# Altium PCB Trepanat.PcbDoc (part 2 of 3)
Units mm, origin at the board's own origin, x right, y up, seen from the top; angles counter-clockwise.
Board outline 250 x 222.12 mm, 4 copper layers (Top Signal Layer, Power Layer, Ground Layer, Bottom Signal Layer), stack 0.778 mm thick; 334 components, 101 nets, 1026 pads, 524 vias.
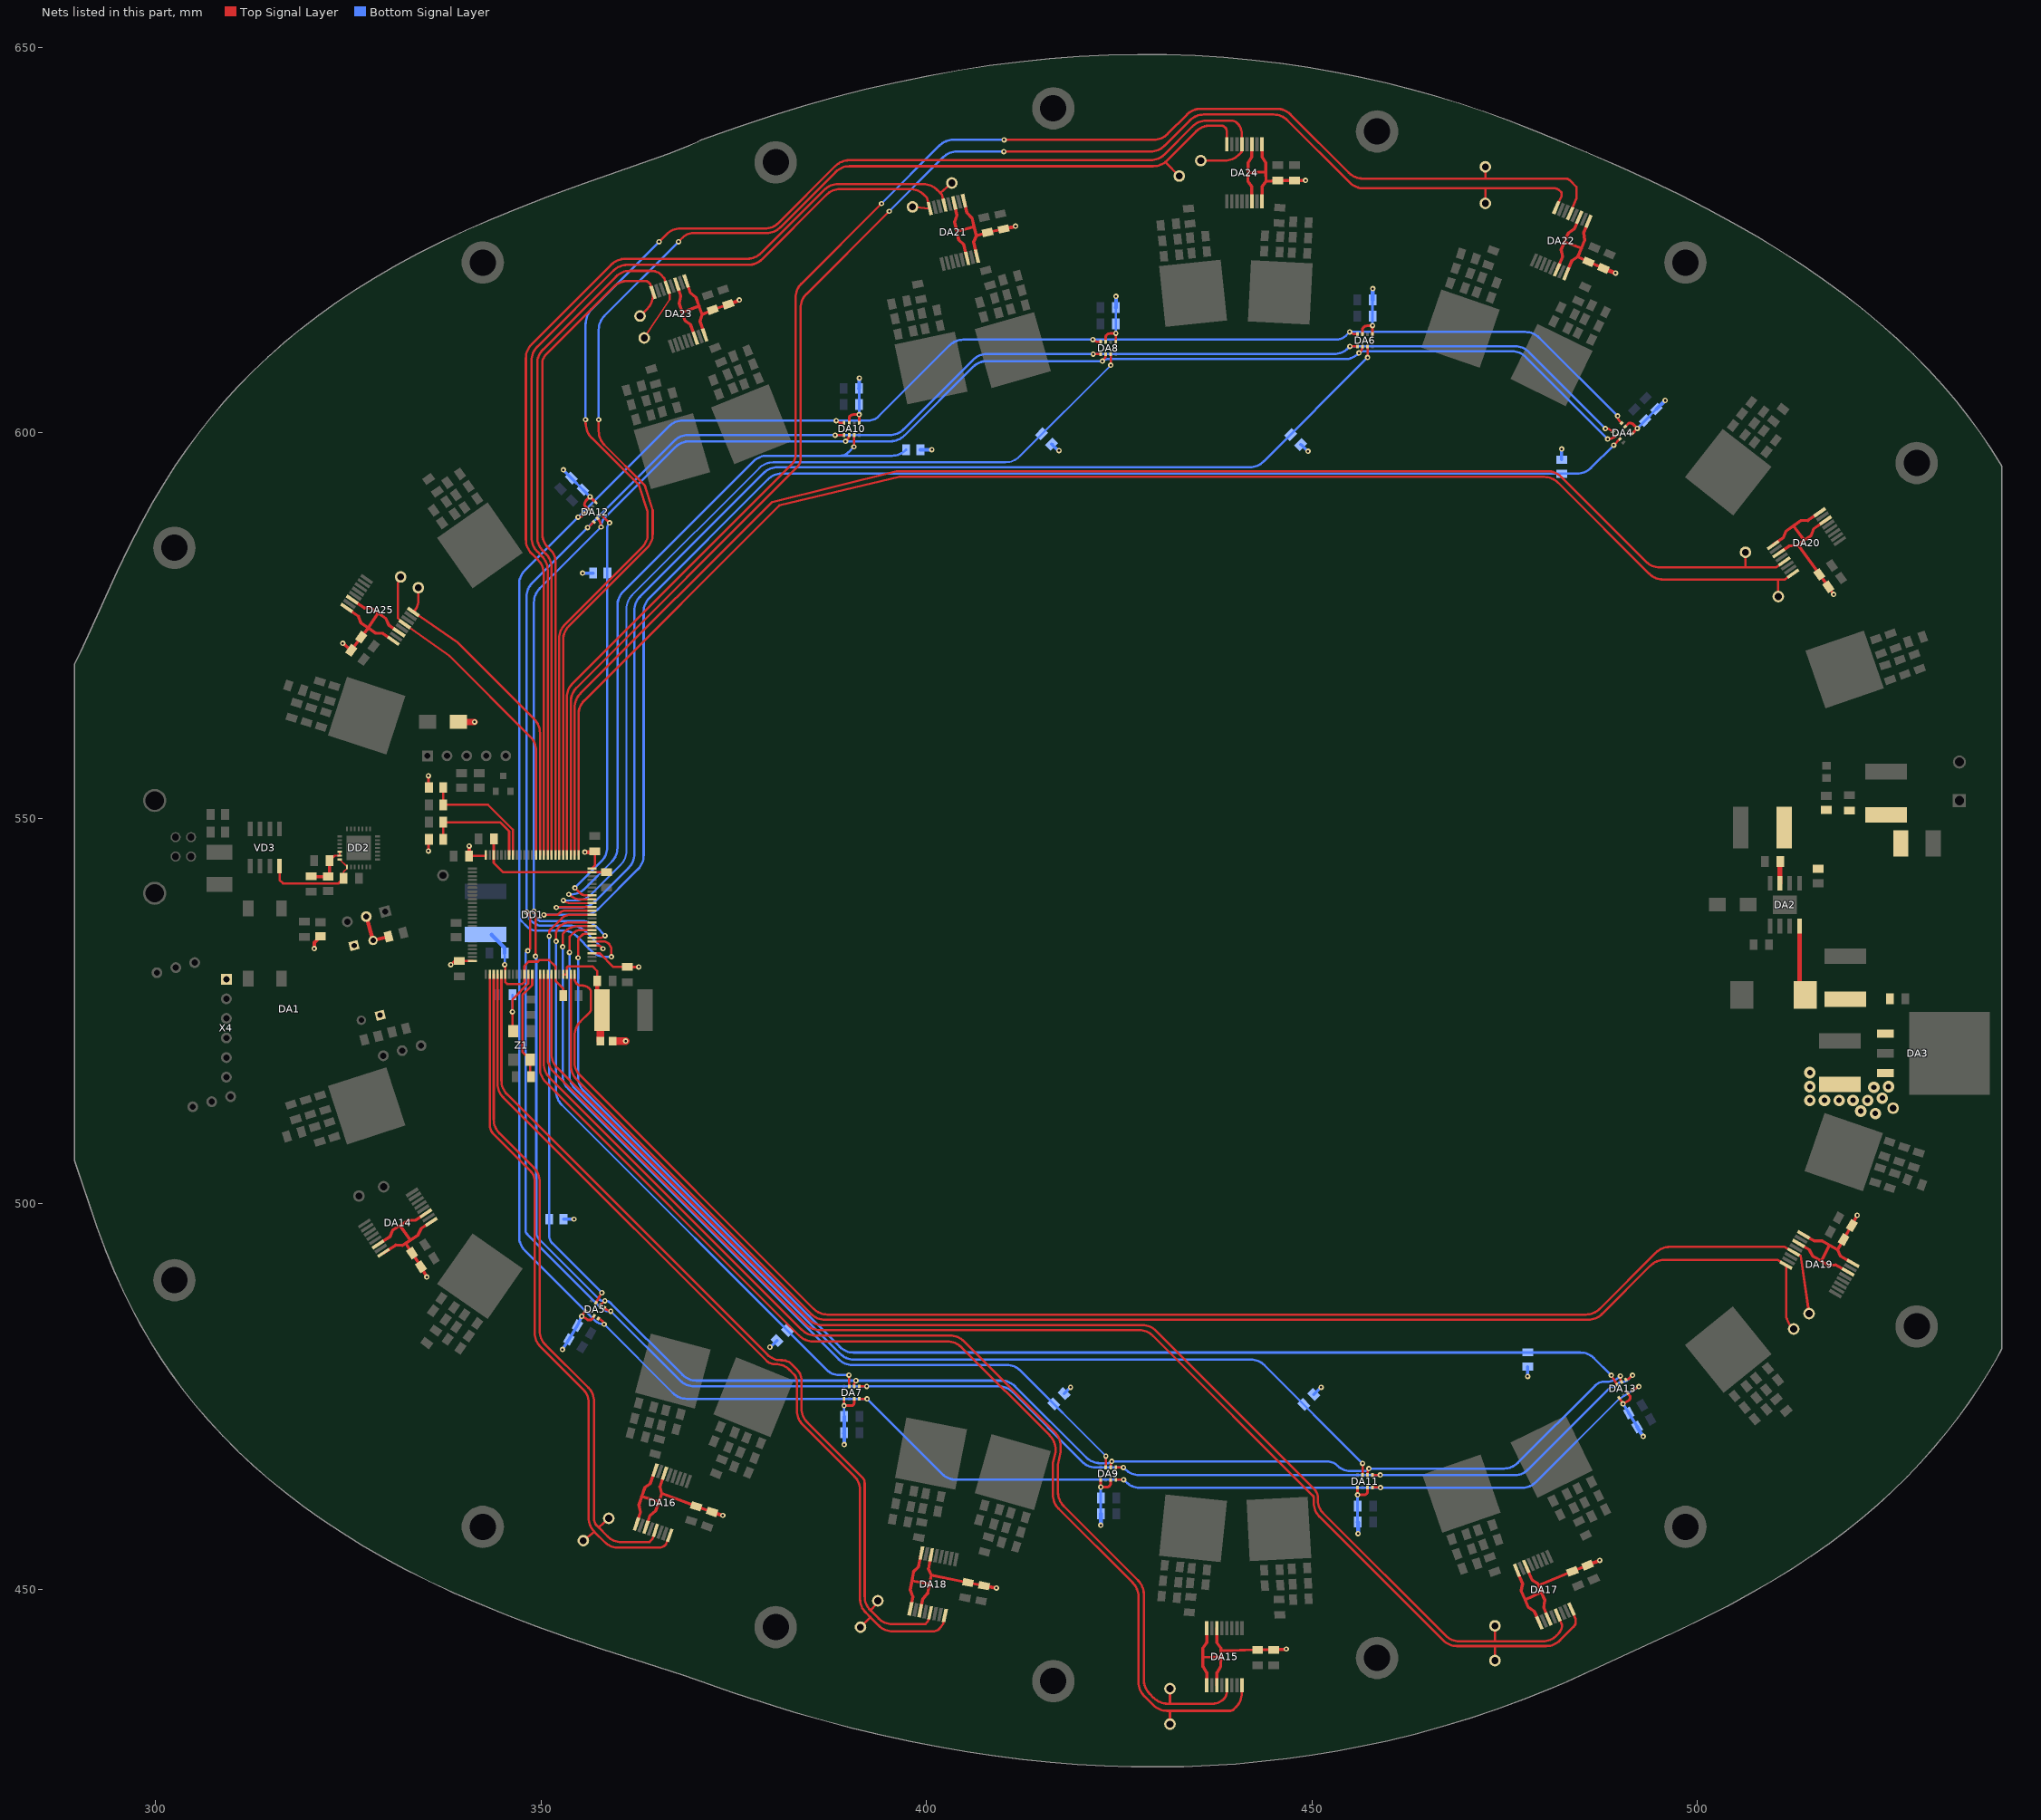
[diagram p4: the nets of this part, all layers, seen from the top]

## Via types
v1: diameter 0.7, hole 0.3, Top Signal Layer to Bottom Signal Layer, tented both sides, 512 vias
v2: diameter 1.5, hole 0.7, Top Signal Layer to Bottom Signal Layer, tented both sides, 12 vias

## Nets (pads, with @x,y where several pads share a name; then routed paths per layer and width w, separated by ;. In a path a pad name is that pad's centre, name@x,y a point inside that pad or via, vN(x,y) a via of type N, cw(c..) or ccw(c..) an arc to the next point about the centre after c; other vN are vias at no path point) (continued)
3,3B: C5.1 C6.2 C7.2 C9.2 C10.2 C11.2 C12.2 C28.1 C29.2 C30.2 C31.2 C32.2 C33.2 C34.2 C35.2 C36.2 C37.2 C38.2 C39.2 C40.2 C41.2 C42.2 C43.2 C44.2 C45.2 C46.2 C47.2 C48.2 C73.2 C74.2 C75.2 C76.2 C101.2 C102.2 C103.2 C104.2 C129.2 C130.2 C131.2 C132.2 C157.2 C158.2 C159.2 C160.2 C185.2 C186.2 C187.2 C188.2 C213.2 C214.2 C215.2 C216.2 DA3.3 DA4.6 DA4.8 DA5.6 DA5.8 DA6.6 DA6.8 DA7.6 DA7.8 DA8.6 DA8.8 DA9.6 DA9.8 DA10.6 DA10.8 DA11.6 DA11.8 DA12.6 DA12.8 DA13.6 DA13.8 DA14.6 DA14.8 DA14.9 DA14.11 DA15.6 DA15.8 DA15.9 DA15.11 DA16.6 DA16.8 DA16.9 DA16.11 DA17.6 DA17.8 DA17.9 DA17.11 DA18.6 DA18.8 DA18.9 DA18.11 DA19.6 DA19.8 DA19.9 DA19.11 DA20.6 DA20.8 DA20.9 DA20.11 DA21.6 DA21.8 DA21.9 DA21.11 DA22.6 DA22.8 DA22.9 DA22.11 DA23.6 DA23.8 DA23.9 DA23.11 DA24.6 DA24.8 DA24.9 DA24.11 DA25.6 DA25.8 DA25.9 DA25.11 DD1.6 DD1.11 DD1.19 DD1.28 DD1.50 DD1.75 DD1.100 KT2.1 L1.1 R1.2 R8.1 R9.1 R16.1 R17.1 R18.1 R19.1 R20.1 R21.1 R22.1 R23.1 R24.1 R25.1 VD1.2 X2.1 X3.1 X4.1 | length 431.6
  Top Signal Layer w0.3: v1(338.3,531) 338.8,531.5 C12.2@339.4,531.5 DD1.100@341.125,531.5 ; C11.2@340.7,545.1 342.725,545.1 DD1.75@342.875,545.25 ; v1(345.3,531) 345.375,530.925 DD1.6@345.375,529.75 345.375,528.76 345.635,528.5 347.6,528.5 347.875,528.775 DD1.11@347.875,529.75 347.875,530.766 347.886,530.777 347.886,530.886 348.4,531.4 349.589,531.4 349.789,531.6 351.075,531.6 351.875,530.8 DD1.19@351.875,529.75 351.875,528.925 352.9,527.9 C7.2@352.9,527 ; DD1.28@356.625,532.5 357.508,532.5 cw(c357.508,532.278) 357.665,532.435 359.4,530.7 C9.2@361.2,530.7 ; DD1.50@356.625,543.5 357,543.875 C10.2@357,545.7
  Top Signal Layer w0.35: v1(335.399,545.744) 335.399,547.063 cw(c335.655,547.063) R8.1@335.474,547.244 ; v1(335.399,555.494) 335.399,554.175 ccw(c335.655,554.175) R9.1@335.474,553.994 ; DA5.8@355.756,486.095 v1(355.3,485.4) 356,485 ccw(c356.241,485.241) 356.241,484.9 356.3,484.9 ccw(c356.3,485.383) 356.641,485.041 356.7,485.1 DA5.6@356.881,485.445 ; DA12.6@356.205,590.036 355.728,590.513 cw(c355.915,590.7) 355.65,590.7 cw(c356.314,590.7) 355.844,591.169 v1(356.375,591.7) 357.12,590.955 DA12.8@357.124,590.955 ; DA7.8@389.325,474.675 v1(389.325,473.8) 390.275,473.8 ccw(c390.275,474.15) 390.625,474.15 DA7.6@390.625,474.7 ; DA10.6@389.975,601.3 389.975,601.873 cw(c390.402,601.873) 390.1,602.175 cw(c390.522,601.753) 390.522,602.35 v1(391.275,602.35) DA10.8@391.275,601.3 ; DA9.8@422.625,464.2 v1(422.625,463.25) 423.413,463.25 ccw(c423.413,463.762) 423.775,463.4 ccw(c423.413,463.762) 423.925,463.762 DA9.6@423.925,464.2 ; DA8.6@423.275,611.8 423.275,612.469 cw(c423.531,612.469) 423.35,612.65 cw(c423.954,612.046) 423.954,612.9 v1(424.575,612.9) DA8.8@424.575,611.8 ; DA11.8@455.929,463.2 455.929,462.229 v1(455.925,462.225) 456.703,462.225 ccw(c456.703,462.822) 457.125,462.4 ccw(c456.874,462.651) 457.229,462.651 DA11.6@457.229,463.2 ; DA6.6@456.579,612.8 456.579,613.418 cw(c456.907,613.418) 456.675,613.65 cw(c457.279,613.046) 457.279,613.9 457.874,613.9 DA6.8@457.879,612.8 ; DA13.8@489.856,474.82 v1(490.375,474.05) 491.125,474.5 ccw(c490.703,474.922) 491.3,474.922 491.3,474.925 ccw(c491.059,474.925) 491.229,475.096 491.15,475.175 DA13.6@490.981,475.47 ; DA4.6@490.636,600.795 491.05,601.2 cw(c491.171,601.079) 491.171,601.25 491.325,601.25 cw(c491.325,600.767) 491.666,601.109 491.675,601.1 v1(492.225,600.575) DA4.8@491.555,599.876
  Top Signal Layer w0.4: v1(324.3,572.7) C216.2@325.391,571.788 C215.2@326.691,573.488 327.603,574.685 ; DA25.8@324.789,577.284 326.324,576.197 326.62,575.361 327.603,574.685 ; DA25.6@325.535,578.349 327.081,577.278 327.968,577.286 328.877,576.638 ; DA14.6@328.878,494.717 330.45,495.75 330.775,496.575 331.716,497.175 ; DA14.8@329.586,493.627 331.169,494.643 332.055,494.604 332.455,494.869 ; DA25.9@330.851,573.039 329.523,573.959 328.575,574.017 327.603,574.685 ; DA25.11@331.597,574.104 330.279,575.037 329.899,575.909 328.877,576.638 ; DA14.11@335.084,498.747 333.725,497.875 332.775,497.85 331.716,497.175 ; v1(335.2,490.5) C74.2@334.448,491.836 C73.2@333.289,493.593 332.455,494.869 ; DA14.9@335.792,497.657 334.442,496.77 334.033,495.913 333.05,495.263 ; C9.2@361.2,530.7 v1(362.7,530.7) ; DA16.9@362.394,458.467 362.912,459.997 362.707,460.925 363.081,462.043 ; DA16.11@363.624,458.044 364.157,459.568 364.891,460.173 365.309,461.357 ; DA16.8@364.804,465.464 364.182,463.689 363.46,463.174 363.081,462.043 ; DA16.6@366.033,465.041 365.43,463.259 365.682,462.409 ; DA23.11@367.617,619.266 368.135,617.736 367.929,616.808 368.328,615.618 ; DA23.9@368.846,619.689 369.38,618.165 370.114,617.56 370.507,616.449 ; DA23.6@370.026,612.269 369.405,614.044 368.683,614.559 368.328,615.618 ; DA23.8@371.256,612.692 370.653,614.474 370.905,615.324 ; C101.2@372.195,460.028 C102.2@370.145,460.753 365.682,462.409 ; C188.2@374.291,616.662 C187.2@372.291,615.962 370.905,615.324 ; DA18.9@397.936,447.452 398.236,449.039 397.903,449.929 398.118,451.088 ; DA18.11@399.212,447.204 399.528,448.788 400.17,449.488 400.42,450.719 ; DA18.8@399.348,454.716 398.979,452.872 398.336,452.261 398.118,451.088 ; DA18.6@400.624,454.468 400.275,452.62 400.643,451.813 ; DA21.11@403.618,629.824 403.973,628.249 403.671,627.348 403.943,626.122 ; DA21.9@404.884,630.117 405.256,628.545 405.922,627.867 406.197,626.721 ; DA21.6@405.282,622.614 404.849,624.445 404.185,625.032 403.943,626.122 ; DA21.8@406.549,622.907 406.136,624.742 406.475,625.561 ; C129.2@407.475,450.457 C130.2@405.4,450.857 400.643,451.813 ; C160.2@410.02,626.43 C159.2@407.927,625.993 406.475,625.561 ; DA15.9@436.375,437.55 436.367,439.165 435.87,439.975 435.86,441.154 ; DA15.8@436.375,444.95 436.365,443.069 435.85,442.347 435.851,442.25 435.86,441.154 ; DA15.11@437.675,437.55 437.684,439.165 438.18,439.975 438.191,441.231 ; DA15.6@437.675,444.95 437.685,443.069 438.2,442.347 438.197,442 ; DA24.6@442.225,630.025 442.215,631.906 441.7,632.628 441.709,633.744 ; DA24.11@442.225,637.425 442.216,635.81 441.72,635 441.709,633.744 ; DA24.8@443.525,630.025 443.535,631.906 444.05,632.628 ; DA24.9@443.525,637.425 443.533,635.81 444.03,635 444.04,633.821 ; C75.2@445.071,442.15 C76.2@442.971,442.15 438.197,442 ; v1@449.2,632.704 C214.2@447.775,632.704 C213.2@445.575,632.704 444.05,632.628 ; DA17.8@476.61,452.442 477.336,450.707 477.144,449.841 477.619,448.747 ; DA17.6@477.807,452.95 478.551,451.222 479.307,450.759 479.414,450.5 ; v1(478,477.6) v1@478.098,477.6 ; DA17.9@479.502,445.63 478.863,447.114 478.089,447.665 477.669,448.634 479.782,449.614 479.755,449.677 479.414,450.5 ; 479.734,449.728 480.215,448.568 480.075,447.628 DA17.11@480.698,446.138 ; DA22.6@481.802,621.138 482.527,622.874 482.336,623.739 482.78,624.763 ; DA22.8@482.998,620.63 483.743,622.358 484.499,622.821 ; DA22.11@484.693,627.95 484.054,626.467 483.281,625.915 482.78,624.763 ; C103.2@485.784,453.119 C104.2@483.8,452.326 479.414,450.5 ; DA22.9@485.89,627.442 485.267,625.952 485.407,625.012 484.956,623.923 ; C186.2@487.834,621.329 C185.2@485.884,622.179 484.499,622.821 ; DA20.9@509.814,585.441 511.132,586.375 511.511,587.246 512.471,587.93 ; DA20.11@510.56,584.376 511.888,585.296 512.836,585.354 513.049,585.5 ; DA19.11@513.133,494.844 514.528,494.029 514.981,493.194 516.063,492.557 ; DA19.9@513.783,495.97 515.186,495.17 516.136,495.195 517.162,494.614 ; DA20.8@515.876,589.686 514.329,588.615 513.443,588.623 512.471,587.93 ; DA20.6@516.622,588.621 515.087,587.534 514.791,586.698 513.871,586.065 ; v1@517.7,579 C157.2@517.007,580.018 C158.2@515.835,581.638 513.049,585.5 ; DA19.6@519.542,491.144 517.908,492.076 517.025,491.991 516.063,492.557 ; DA19.8@520.192,492.27 518.568,493.219 518.2,494.026 ; v1(520.75,498.5) C132.2@520.049,497.178 C131.2@518.981,495.359 518.2,494.026 ; 327.603,574.685 328.877,576.638 ; 331.716,497.175 333.05,495.263 ; 332.455,494.869 333.05,495.263 ; 363.081,462.043 365.309,461.357 ; 365.309,461.357 365.682,462.409 ; 368.328,615.618 370.507,616.449 ; 370.507,616.449 370.905,615.324 ; 398.118,451.088 400.42,450.719 ; 400.42,450.719 400.643,451.813 ; 403.943,626.122 406.197,626.721 ; 406.197,626.721 406.475,625.561 ; 435.86,441.154 438.191,441.231 ; 438.191,441.231 438.197,442 ; 441.709,633.744 444.04,633.821 ; 444.04,633.821 444.05,632.628 ; 482.78,624.763 484.956,623.923 ; 484.499,622.821 484.956,623.923 ; 512.471,587.93 513.871,586.065 ; 513.049,585.5 513.871,586.065 ; 516.063,492.557 517.162,494.614 ; 517.162,494.614 518.2,494.026
  Top Signal Layer w0.5: v1(320.6,533.1) 320.6,533.875 R1.2@321.4,534.675 ; C11.2@340.7,545.1 v1(340.7,546.4) ; v1(355.7,545.6) 356.9,545.6 C10.2@357,545.7 ; C101.2@372.195,460.028 v1@373.612,459.535 ; C188.2@374.291,616.662 v1@375.77,617.184 ; C129.2@407.475,450.457 v1@409.106,450.129 ; C160.2@410.02,626.43 v1@411.587,626.76 ; C75.2@445.071,442.15 v1@446.697,442.201 ; C103.2@485.784,453.119 v1@487.372,453.703
  Top Signal Layer w0.6: C186.2@487.834,621.329 v1@489.431,620.675
  Top Signal Layer w0.8: VD1.2@339.3,562.5 v1(341.4,562.5)
  Top Signal Layer w1: L1.1@359.3,521.1 v1(361,521.1)
  Bottom Signal Layer w0.3: v1(345.3,531) C6.2@345.3,532.5 ; R20.1@416.254,598.546 cw(c416.254,598.305) R20.1@416.425,598.475
  Bottom Signal Layer w0.35: v1(352.9,595.189) C46.2@353.957,594.132 C45.2@355.457,592.632 ccw(c355.491,592.632) 355.467,592.608 v1(356.375,591.7) ; C35.2@389.25,470.2 cw(c389.35,470.2) C35.2@389.35,470.3 ; v1(389.325,473.8) C36.2@389.325,472.4 cw(c389.325,472.375) C36.2@389.35,472.375 ; v1(391.275,602.35) C41.2@391.275,603.65 C42.2@391.275,605.75 ; C39.2@422.625,459.775 C40.2@422.625,461.85 v1(422.625,463.25) ; v1(424.575,612.9) C37.2@424.575,614.15 C38.2@424.575,616.25 ; C43.2@455.925,458.7 C44.2@455.925,460.8 v1(455.925,462.225) ; v1(457.875,613.9) C33.2@457.875,615.15 C34.2@457.875,617.25 ; v1(490.375,474.05) C48.2@491.109,472.85 ; v1(492.225,600.575) C29.2@493.232,601.593 C30.2@494.707,603.068
  Bottom Signal Layer w0.4: v1(352.8,481.1) C31.2@353.634,482.4 C32.2@354.734,484.2 v1(355.3,485.4) ; R17.1@352.925,498 v1(354.3,498) ; v1(355.4,581.8) R24.1@356.775,581.8 ; v1(379.7,481.4) 379.75,481.35 R19.1@380.646,482.246 ; R20.1@416.254,598.546 417.029,597.771 ccw(c417.2,597.941) v1(417.2,597.7) ; R21.1@417.854,475.354 v1(418.7,476.2) ; R18.1@448.554,598.446 cw(c448.554,598.205) 448.725,598.375 v1(449.5,597.6) ; R23.1@450.254,475.254 v1(451.2,476.2) ; v1(478,477.6) R25.1@478,478.875 ; R16.1@482.4,596.525 v1(482.4,597.9) ; C48.2@491.109,472.85 C47.2@492.209,471.05
  Bottom Signal Layer w0.5: C5.1@343.6,534.9 345.3,533.2 C6.2@345.3,532.5 ; v1(389.35,468.75) C36.2@389.35,472.375 ; C42.2@391.275,605.75 391.3,605.775 v1(391.3,607.094) ; R22.1@399.225,597.8 v1(400.7,597.8) ; v1(422.625,458.3) C39.2@422.625,459.775 ; C38.2@424.575,616.25 ccw(c424.515,616.31) 424.6,616.31 v1(424.6,617.7) ; C43.2@455.925,458.7 456,458.625 v1(456,457.2) ; C34.2@457.875,617.25 457.9,617.25 v1(457.9,618.7) ; C47.2@492.209,471.05 v1(492.975,469.812) ; C30.2@494.707,603.068 v1(495.839,604.2)
  other v1: 446.672,442.242 409.081,450.17 487.347,453.744 373.587,459.576 517.675,579.041 375.745,617.225 489.406,620.715 411.562,626.801 449.175,632.745
  other v2: 523.1,511.7 521.2,512 514.6,513.4 516.5,513.4 518.4,513.4 520.2,513.4 522.1,513.4 524,513.7 522.9,515.1 514.6,515.2 524.8,515.2 514.6,517
3_SENSOR: DA16.13 DD1.3 KT8.1 | length 87.7
  Top Signal Layer w0.3: DD1.3@343.875,529.75 343.875,510.927 ccw(c346.415,510.927) 344.619,509.131 349.106,504.644 cw(c347.31,502.848) 349.85,502.848 349.85,483.502 ccw(c352.39,483.502) 350.594,481.706 356.156,476.144 cw(c354.36,474.348) 356.9,474.348 356.9,459.115 ccw(c358.145,459.115) 357.265,458.235 357.5,458 ; KT8.1@358.8,459.2 357.5,458 ; DA16.13@364.853,457.621 364.467,456.511 364.095,456.139 cw(c364,456.234) 364,456.1 360.452,456.1 cw(c360.452,458.64) 358.656,456.844 357.5,458
4_SENSOR: DA16.16 DD1.2 KT7.1 | length 90.7
  Top Signal Layer w0.3: DD1.2@343.375,529.75 343.375,510.177 ccw(c344.949,510.177) 343.836,509.064 348.6,504.3 cw(c347.151,502.851) 349.2,502.851 349.2,483.252 ccw(c351.74,483.252) 349.944,481.456 355.5,475.9 cw(c353.81,474.21) 356.2,474.21 356.2,459.252 ccw(c358.74,459.252) 356.944,457.456 ; KT7.1@355.5,456.3 356.944,457.456 ; DA16.16@366.696,456.986 366.209,455.809 366.1,455.7 cw(c365.376,456.424) 365.376,455.4 359.9,455.4 cw(c359.9,457.573) 358.364,456.036 356.944,457.456
5_SENSOR: DA18.13 DD1.5 KT12.1 | length 113.8
  Top Signal Layer w0.3: DD1.5@344.875,529.75 344.875,515.977 ccw(c347.415,515.977) 345.619,514.181 379.356,480.444 ccw(c381.152,482.24) 381.152,479.7 381.3,479.7 cw(c381.3,478.01) 382.495,479.205 383.2,478.5 cw(c381.751,477.051) 383.8,477.051 383.8,473.452 ccw(c386.34,473.452) 384.544,471.656 391.7,464.5 cw(c390.976,463.776) 392,463.776 392,449.052 ccw(c394.54,449.052) 392.744,447.256 ; KT12.1@393.7,448.5 cw(c393.005,448.5) 393.496,448.009 392.744,447.256 ; DA18.13@400.488,446.956 cw(c398.395,446.955) 399.875,445.475 395.55,445.475 cw(c395.55,447.95) 393.8,446.2 392.744,447.256
5B: C26.1 C27.2 DA2.4 DA3.1 L2.2 | length 9.1
  Top Signal Layer w0.6: DA2.4@513.255,536.02 513.255,528.897 ccw(c515.795,528.897) L2.2@514,527.1 L2.2@514,527.1
5IN: C21.1 C22.2 C24.1 C25.2 DA2.7 FU2.2 R14.1 R15.1 | length 2.8
  Top Signal Layer w0.6: DA2.7@510.715,541.58 510.715,544.365 C25.2@510.75,544.4
6_SENSOR: DA18.16 DD1.4 KT11.1 | length 117.2
  Top Signal Layer w0.3: DD1.4@344.375,529.75 344.375,515.577 ccw(c346.915,515.577) 345.119,513.781 379.276,479.624 ccw(c380.3,480.649) 380.3,479.2 380.448,479.2 cw(c380.448,476.66) 382.244,478.456 382.8,477.9 cw(c381.774,476.874) 383.225,476.874 383.225,473.127 ccw(c385.765,473.127) 383.969,471.331 390.7,464.6 cw(c389.01,462.91) 391.4,462.91 391.4,448.752 ccw(c393.94,448.752) 392.144,446.956 392.7,446.4 ; KT11.1@391.455,445.083 392.649,446.277 ccw(c392.526,446.4) 392.7,446.4 ; DA18.16@402.402,446.584 cw(c400.032,446.584) 401.708,444.908 401.65,444.85 cw(c400.865,445.635) 400.865,444.525 395.627,444.525 cw(c395.627,447.065) 393.831,445.269 392.7,446.4
7_SENSOR: DA15.13 DD1.16 KT6.1 | length 150.8
  Top Signal Layer w0.3: DD1.16@350.375,529.75 350.375,518.177 ccw(c352.915,518.177) 351.119,516.381 383.856,483.644 ccw(c385.652,485.44) 385.652,482.9 403.073,482.9 cw(c403.073,480.36) 404.869,482.156 416.656,470.369 cw(c414.86,468.573) 417.4,468.573 417.4,467.8 417.075,466.15 417.075,462.577 ccw(c419.615,462.577) 417.819,460.781 427.456,451.144 cw(c425.66,449.348) 428.2,449.348 428.2,438.252 ccw(c430.74,438.252) 428.944,436.456 429.506,435.894 ccw(c431.302,437.69) 431.302,435.15 431.6,435.15 ; KT6.1@431.6,437.1 431.6,435.15 ; DA15.13@438.975,437.55 438.975,436.716 cw(c437.609,436.716) 438.575,435.75 cw(c437.126,437.199) 437.126,435.15 431.6,435.15
8_SENSOR: DA15.16 DD1.15 KT5.1 | length 154.5
  Top Signal Layer w0.3: DD1.15@349.875,529.75 349.875,517.577 ccw(c352.415,517.577) 350.619,515.781 383.506,482.894 ccw(c385.302,484.69) 385.302,482.15 402.723,482.15 cw(c402.723,479.61) 404.519,481.406 416.006,469.919 cw(c414.21,468.123) 416.75,468.123 416.75,467.85 416.4,466.35 416.4,462.252 ccw(c418.94,462.252) 417.144,460.456 426.756,450.844 cw(c424.96,449.048) 427.5,449.048 427.5,437.952 ccw(c430.04,437.952) 428.244,436.156 429.431,434.969 ccw(c431.227,436.765) 431.227,434.225 431.6,434.225 ; KT5.1@431.6,432.5 431.6,434.225 ; DA15.16@440.925,437.55 440.925,436.527 cw(c438.385,436.527) 440.181,434.731 439.85,434.4 cw(c439.428,434.822) 439.428,434.225 431.6,434.225
9_SENSOR: DA17.13 DD1.18 KT10.1 | length 178.6
  Top Signal Layer w0.3: DD1.18@351.375,529.75 351.375,519.427 ccw(c353.915,519.427) 352.119,517.631 384.756,484.994 ccw(c386.552,486.79) 386.552,484.25 427.998,484.25 cw(c427.998,481.71) 429.794,483.506 450.325,462.975 cw(c449.239,461.889) 450.775,461.889 450.775,461.494 ccw(c452.994,461.494) 451.425,459.925 467.356,443.994 ccw(c469.152,445.79) 469.152,443.25 473.75,443.25 ; KT10.1@473.75,445.25 473.75,443.25 ; DA17.13@481.895,446.646 482.45,445.35 cw(c480.881,445.35) 481.99,444.24 481.744,443.994 cw(c479.948,445.79) 479.948,443.25 473.75,443.25
10_SENSOR: DA17.16 DD1.17 KT9.1 | length 181.9
  Top Signal Layer w0.3: DD1.17@350.875,529.75 350.875,518.927 ccw(c353.415,518.927) 351.619,517.131 384.406,484.344 ccw(c386.202,486.14) 386.202,483.6 427.598,483.6 cw(c427.598,481.06) 429.394,482.856 450.117,462.133 cw(c449.809,461.825) 450.245,461.825 450.245,461.208 ccw(c452.785,461.208) 450.988,459.412 467.031,443.369 ccw(c468.827,445.165) 468.827,442.625 473.75,442.625 ; KT9.1@473.75,440.75 473.75,442.625 ; DA17.16@483.69,447.408 484.225,446.125 484.225,445.789 cw(c483.286,445.789) 483.95,445.125 482.194,443.369 cw(c480.398,445.165) 480.398,442.625 473.75,442.625
11_SENSOR: DA19.16 DD1.23 KT13.1 | length 195.3
  Top Signal Layer w0.3: DD1.23@353.875,529.75 353.875,517.927 ccw(c356.415,517.927) 354.619,516.131 385.056,485.694 ccw(c386.852,487.49) 386.852,484.95 485.848,484.95 ccw(c485.848,487.49) 487.644,485.694 493.906,491.956 cw(c495.702,490.16) 495.702,492.7 510.4,492.7 DA19.16@511.508,492.03 511.508,485.794 ccw(c514.048,485.794) 512.252,483.998 KT13.1@512.5,483.75
12_SENSOR: DA19.13 DD1.24 KT14.1 | length 197.7
  Top Signal Layer w0.3: DD1.24@354.375,529.75 354.375,529.143 ccw(c355.143,529.143) 354.6,528.6 354.688,528.512 ccw(c355.2,529.024) 355.2,528.3 355.334,528.3 cw(c355.334,526.934) 356.3,527.9 cw(c355.817,527.417) 356.5,527.417 356.5,525.3 cw(c355.776,525.3) 356.288,524.788 355.119,523.619 ccw(c356.915,521.823) 354.375,521.823 354.375,518.259 ccw(c356.509,518.259) 355,516.75 385.381,486.369 ccw(c387.177,488.165) 387.177,485.625 485.548,485.625 ccw(c485.548,488.165) 487.344,486.369 494.631,493.656 cw(c496.427,491.86) 496.427,494.4 511.3,494.4 DA19.13@512.483,493.719 513.425,493.25 KT14.1@514.5,485.75
13_SENSOR: DA20.16 DD1.51 KT15.1 | length 195.7
  Top Signal Layer w0.3: DD1.51@354.875,545.25 354.875,563.467 cw(c357.415,563.467) 355.619,565.263 380.924,590.568 396.5,594.275 480.148,594.275 cw(c480.148,591.735) 481.944,593.531 493.756,581.719 ccw(c495.552,583.515) 495.552,580.975 510.5,580.975 ; KT15.1@510.5,578.75 510.5,580.975 ; DA20.16@512.424,581.714 511.375,580.975 510.5,580.975
14_SENSOR: DA20.13 DD1.52 KT16.1 | length 195.2
  Top Signal Layer w0.3: DD1.52@354.375,545.25 354.375,564.362 cw(c356.915,564.362) 355.119,566.159 379.992,591.032 396.125,595.025 480.548,595.025 cw(c480.548,592.485) 482.344,594.281 493.331,583.294 ccw(c495.127,585.09) 495.127,582.55 506.25,582.55 ; KT16.1@506.25,584.5 506.25,582.55 ; DA20.13@511.306,583.312 510.225,582.55 506.25,582.55
15_SENSOR: DA22.13 DD1.54 KT20.1 | length 205.1
  Top Signal Layer w0.3: DD1.54@353.375,545.25 353.375,565.698 cw(c355.915,565.698) 354.119,567.494 382.477,595.852 ccw(c381.154,597.175) 383.025,597.175 383.025,617.523 cw(c385.565,617.523) 383.769,619.319 v1(394.175,629.725) ; v1(410.075,638) 429.473,638 ccw(c429.473,640.54) 431.269,638.744 433.806,641.281 cw(c435.602,639.485) 435.602,642.025 445.448,642.025 cw(c445.448,639.485) 447.244,641.281 454.806,633.719 ccw(c456.602,635.515) 456.602,632.975 472.5,632.975 ; KT20.1@472.5,634.5 472.5,632.975 ; DA22.13@483.497,628.458 484.325,630.424 484.325,631.9 483.515,632.71 ccw(c482.875,632.07) 482.875,632.975 472.5,632.975
  Bottom Signal Layer w0.3: v1(394.175,629.725) 401.706,637.256 cw(c403.502,635.46) 403.502,638 v1(410.075,638)
16_SENSOR: DA22.16 DD1.53 KT19.1 | length 200.4
  Top Signal Layer w0.3: DD1.53@353.875,545.25 353.875,565.123 cw(c356.415,565.123) 354.619,566.919 383.18,595.48 ccw(c381.985,596.675) 383.675,596.675 383.675,616.173 cw(c386.215,616.173) 384.419,617.969 v1(395.175,628.725) ; v1(410.05,636.475) 429.073,636.475 ccw(c429.073,639.015) 430.869,637.219 434.181,640.531 cw(c435.977,638.735) 435.977,641.275 445.048,641.275 cw(c445.048,638.735) 446.844,640.531 454.931,632.444 ccw(c456.727,634.24) 456.727,631.7 472.5,631.7 ; KT19.1@472.5,629.75 472.5,631.7 ; DA22.16@481.702,629.22 482.4,630.7 482.4,631.079 ccw(c482.229,631.079) 482.35,631.2 482.062,631.488 ccw(c481.55,630.976) 481.55,631.7 472.5,631.7
  Bottom Signal Layer w0.3: v1(395.175,628.725) 402.181,635.731 cw(c403.977,633.935) 403.977,636.475 v1(410.05,636.475)
17_SENSOR: DA24.13 DD1.56 KT24.1 | length 181.4
  Top Signal Layer w0.3: DD1.56@352.375,545.25 352.375,573.323 cw(c354.915,573.323) 353.119,575.119 363.106,585.106 ccw(c361.31,586.902) 363.85,586.902 363.85,589.8 362.731,593.194 356.569,599.356 cw(c358.365,601.152) 355.825,601.152 355.8,601.177 v1(355.8,601.7) ; v1(365.325,624.775) 366.306,625.756 cw(c368.102,623.96) 368.102,626.5 379.048,626.5 ccw(c379.048,629.04) 380.844,627.244 388.206,634.606 cw(c390.002,632.81) 390.002,635.35 429.073,635.35 ccw(c429.073,637.89) 430.869,636.094 434.506,639.731 cw(c436.302,637.935) 436.302,640.475 439.565,640.475 cw(c439.565,639.365) 440.35,640.15 cw(c438.962,638.762) 440.925,638.762 DA24.13@440.925,637.425 440.925,636.6 cw(c440.575,636.6) 440.822,636.353 440.514,636.044 cw(c438.718,637.84) 438.718,635.3 KT24.1@435.6,635.3
  Bottom Signal Layer w0.3: v1(355.8,601.7) 355.8,614.198 355.825,614.223 cw(c358.365,614.223) 356.569,616.019 v1(365.325,624.775)
18_SENSOR: DA24.16 DD1.55 KT23.1 | length 172.3
  Top Signal Layer w0.3: DD1.55@352.875,545.25 352.875,573.116 cw(c355.415,573.116) 353.619,574.912 363.756,585.049 ccw(c361.96,586.845) 364.5,586.845 364.5,589.95 363.466,593.186 358.244,598.409 cw(c360.04,600.205) 357.5,600.205 v1(357.5,601.7) ; v1@367.825,624.75 368.409,625.334 cw(c369.775,623.969) 369.775,625.9 379.248,625.9 ccw(c379.248,628.44) 381.044,626.644 388.231,633.831 cw(c390.027,632.035) 390.027,634.575 429.423,634.575 ccw(c429.423,637.115) 430.988,635.115 ; KT23.1@432.8,633.3 430.988,635.112 430.988,635.115 ; DA24.16@438.975,637.425 438.975,638.7 438.975,639.057 ccw(c438.207,639.057) 438.75,639.6 ccw(c438.146,638.996) 438.146,639.85 436.802,639.85 ccw(c436.802,637.31) 435.006,639.106 431.219,635.319 cw(c429.423,637.115) 430.988,635.115
  Bottom Signal Layer w0.3: v1(357.5,601.7) 357.5,613.373 cw(c360.04,613.373) 358.244,615.169 v1(367.85,624.775)
19_SENSOR: DA21.13 DD1.60 KT18.1 | length 132.5
  Top Signal Layer w0.3: DD1.60@350.375,545.25 350.375,581.698 ccw(c347.835,581.698) 349.631,583.494 348.794,584.331 cw(c350.59,586.127) 348.05,586.127 348.05,609.673 cw(c350.59,609.673) 348.794,611.469 359.156,621.831 cw(c360.952,620.035) 360.952,622.575 376.773,622.575 ccw(c376.773,625.115) 378.569,623.319 386.756,631.506 cw(c388.552,629.71) 388.552,632.25 399.598,632.25 cw(c399.598,629.71) 401.394,631.506 401.8,631.1 ; DA21.13@402.351,629.532 402.025,630.875 401.8,631.1 ; KT18.1@403.3,632.4 401.8,631.1
20_SENSOR: DA21.16 DD1.59 KT17.1 | length 129.4
  Top Signal Layer w0.3: DD1.59@350.875,545.25 350.875,582.198 ccw(c348.335,582.198) 350.131,583.994 349.519,584.606 cw(c351.315,586.402) 348.775,586.402 348.775,609.348 cw(c351.315,609.348) 349.519,611.144 359.406,621.031 cw(c361.202,619.235) 361.202,621.775 376.898,621.775 ccw(c376.898,624.315) 378.694,622.519 387.031,630.856 cw(c388.827,629.06) 388.827,631.6 397.898,631.6 cw(c397.898,629.06) 399.694,630.856 400.1,630.45 400.442,629.127 DA21.16@400.451,629.093 ; KT17.1@398.2,629.3 DA21.16@400.313,629.093
21_SENSOR: DA23.13 DD1.58 KT22.1 | length 94.7
  Top Signal Layer w0.25: KT22.1@363.4,612.3 366.7,617.3 366.7,617.918 ccw(c366.373,617.918) DA23.13@366.604,618.149 ; DA23.13@366.388,618.843 cw(c366.303,618.757) DA23.13@366.423,618.757
  Top Signal Layer w0.3: DD1.58@351.375,545.25 351.375,582.55 ccw(c348.9,582.55) 350.65,584.3 350.269,584.681 cw(c352.065,586.477) 349.525,586.477 349.525,608.998 cw(c352.065,608.998) 350.269,610.794 359.731,620.256 cw(c361.527,618.46) 361.527,621 364.375,621 cw(c364.375,619.318) 365.565,620.507 365.992,620.08 DA23.13@366.388,618.843
22_SENSOR: DA23.16 DD1.57 KT21.1 | length 87.9
  Top Signal Layer w0.3: DD1.57@351.875,545.25 351.875,583.372 ccw(c349.997,583.372) 351.325,584.7 350.919,585.106 cw(c352.715,586.902) 350.175,586.902 350.175,608.933 cw(c351.967,608.933) 350.7,610.2 359.456,618.956 cw(c361.252,617.16) 361.252,619.7 363.575,619.7 cw(c363.575,619.245) 363.897,619.567 364.16,619.304 DA23.16@364.544,618.208 364.544,617.88 cw(c362.004,617.88) 363.8,616.084 KT21.1@362.858,615.142
23_SENSOR: DA25.16 DD1.61 KT25.1 | length 42.1
  Top Signal Layer w0.3: DA25.16@333.461,576.766 333.474,576.757 339.175,572.825 349.131,562.869 cw(c347.335,561.073) 349.875,561.073 DD1.61@349.875,545.25 ; DA25.16@333.523,576.828 ccw(c332.129,578.222) 334.1,578.222 KT25.1@334.1,579.9
24_SENSOR: DA25.13 DD1.62 KT26.1 | length 43.3
  Top Signal Layer w0.25: DA25.13@331.76,575.662 331.508,575.915 ccw(c331.458,575.865) 331.458,575.935 331.458,580.474 cw(c332.626,580.474) KT26.1@331.8,581.3
  Top Signal Layer w0.3: DA25.13@332.342,575.169 338.15,571.05 348.631,560.569 cw(c346.835,558.773) 349.375,558.773 DD1.62@349.375,545.25
BMP280_CS1: DA5.2 DD1.38 R17.2 | length 57.6
  Top Signal Layer w0.3: v1(351.075,534.7) 351.075,535.15 cw(c351.679,535.15) 351.252,535.577 352.725,537.05 cw(c353.811,535.964) 353.811,537.5 DD1.38@356.625,537.5 ; DA5.2@357.119,487.155 v1(357.9,488.45)
  Bottom Signal Layer w0.3: v1(351.075,534.7) 351.075,495.817 ccw(c352.383,495.817) 351.458,494.892 v1(357.9,488.45)
BMP280_CS2: DA7.2 DD1.36 R19.2 | length 81
  Top Signal Layer w0.3: v1(351.975,534.025) 351.975,535.075 cw(c353.001,535.075) 352.276,535.801 352.476,536.001 ; 352.476,536.001 cw(c353.68,534.797) 353.68,536.5 DD1.36@356.625,536.5 ; DA7.2@389.975,476.3 389.982,476.307 v1@389.982,477.77
  Bottom Signal Layer w0.3: v1(351.975,534.025) 351.975,514.602 ccw(c354.515,514.602) 352.719,512.806 387.1,478.425 ccw(c388.682,480.007) 388.682,477.77 v1@389.982,477.77
  other v1: 389.957,477.77
BMP280_CS3: DA9.2 DD1.35 R21.2 | length 115.1
  Top Signal Layer w0.3: v1(352.825,533.325) 352.825,534.778 cw(c353.422,534.778) 353,535.2 353.07,535.27 cw(c354.832,533.508) 354.832,536 DD1.35@356.625,536 ; DA9.2@423.275,465.8 423.282,465.807 v1(423.282,467.27)
  Bottom Signal Layer w0.3: v1(352.825,533.325) 352.825,516.56 ccw(c355.082,516.56) 353.486,514.964 388.631,479.819 ccw(c390.427,481.615) 390.427,479.075 410.424,479.075 cw(c410.424,476.535) 412.22,478.331 v1(423.282,467.27)
BMP280_CS4: DA11.2 DD1.34 R23.2 | length 146.7
  Top Signal Layer w0.3: v1(353.7,532.6) 353.7,534.493 cw(c353.958,534.493) 353.775,534.675 354.25,535.15 cw(c355.095,534.305) 355.095,535.5 DD1.34@356.625,535.5 ; DA11.2@456.579,464.8 456.586,464.807 v1(456.586,466.32)
  Bottom Signal Layer w0.3: v1(353.7,532.6) 353.7,516.585 ccw(c355.957,516.585) 354.361,514.989 388.806,480.544 ccw(c390.602,482.34) 390.602,479.8 442.053,479.8 cw(c442.053,477.26) 443.849,479.056 v1(456.586,466.32)
BMP280_CS5: DA13.2 DD1.33 R25.2 | length 171.7
  Top Signal Layer w0.3: v1(354.825,531.9) 354.825,534.025 cw(c355.61,534.025) 355.055,534.58 355.275,534.8 cw(c355.758,534.317) 355.758,535 DD1.33@356.625,535 ; v1(488.827,477.75) DA13.2@489.619,476.53
  Bottom Signal Layer w0.3: v1(354.825,531.9) 354.825,516.321 ccw(c357.109,516.321) 355.494,514.706 388.756,481.444 ccw(c390.552,483.24) 390.552,480.7 484.825,480.7 cw(c484.825,478.16) 486.621,479.956 v1(488.827,477.75)
BMP280_CS6: DA4.2 DD1.39 R16.2 | length 190.7
  Top Signal Layer w0.3: v1(350.375,537.475) 351.953,537.475 ccw(c351.953,538.072) 352.375,537.65 ; 352.375,537.65 352.427,537.702 cw(c353.147,536.982) 353.147,538 DD1.39@356.625,538 ; v1(489.15,598.4) DA4.2@489.955,599.204
  Bottom Signal Layer w0.3: v1(350.375,537.475) 355.623,537.475 ccw(c355.623,540.015) 357.419,538.219 362.581,543.381 ccw(c360.785,545.177) 363.325,545.177 363.325,576.773 cw(c365.865,576.773) 364.069,578.569 379.456,593.956 cw(c381.252,592.16) 381.252,594.7 484.398,594.7 ccw(c484.398,597.24) 486.194,595.444 v1(489.15,598.4)
BMP280_CS7: DA6.2 DD1.40 R18.2 | length 160
  Top Signal Layer w0.3: v1(352,538.425) cw(c352.181,538.244) 352.181,538.5 DD1.40@356.625,538.5 ; v1(457.222,609.755) DA6.2@457.222,611.193
  Bottom Signal Layer w0.3: v1(352,538.425) 355.173,538.425 ccw(c355.173,540.965) 356.969,539.169 361.381,543.581 ccw(c359.585,545.377) 362.125,545.377 362.125,576.948 cw(c364.665,576.948) 362.869,578.744 378.906,594.781 cw(c380.702,592.985) 380.702,595.525 441.94,595.525 ccw(c441.94,598.065) 443.736,596.269 v1(457.222,609.755)
BMP280_CS8: DA8.2 DD1.41 R20.2 | length 124.1
  Top Signal Layer w0.25: v1(352.9,539.35) ccw(c353.745,540.195) 353.745,539 DD1.41@356.625,539
  Top Signal Layer w0.3: v1(423.918,608.755) DA8.2@423.918,610.193
  Bottom Signal Layer w0.25: v1(352.9,539.35) 354.673,539.35 ccw(c354.673,541.89) 356.469,540.094 360.358,543.983 ccw(c358.565,545.775) 361.1,545.775 361.1,577.148 cw(c363.64,577.148) 361.844,578.944 378.331,595.431 cw(c380.127,593.635) 380.127,596.175 410.286,596.175 ccw(c410.286,598.715) 412.082,596.919 v1(423.918,608.755)
BMP280_CS9: DA10.2 DD1.42 R22.2 | length 93.6
  Top Signal Layer w0.3: v1(353.625,540.125) ccw(c355.158,541.658) 355.158,539.49 355.87,539.49 ; 355.906,539.5 DD1.42@356.625,539.5 ; v1@390.6,598.15 ccw(c390.54,598.21) 390.625,598.21 DA10.2@390.625,599.7
  Bottom Signal Layer w0.3: v1(353.625,540.125) 353.898,540.125 ccw(c353.898,542.665) 355.694,540.869 359.181,544.356 ccw(c357.385,546.152) 359.925,546.152 359.925,577.598 cw(c362.465,577.598) 360.669,579.394 377.556,596.281 cw(c379.352,594.485) 379.352,597.025 388.847,597.025 ; v1(390.6,598.175) 389.876,597.451 cw(c388.847,598.48) 388.847,597.025 ; R22.2@397.375,597.8 397.344,597.769 cw(c395.548,599.565) 395.548,597.025 388.847,597.025
BMP280_CS10: DA12.2 DD1.43 R24.2 | length 53.2
  Top Signal Layer w0.3: v1(354.4,540.975) 355.117,540.258 ccw(c355.74,540.88) 355.74,540 DD1.43@356.625,540 ; DA12.2@357.795,589.355 DA12.2@357.795,589.364 358.788,588.371 ccw(c358.9,588.483) v1(358.9,588.325)
  Bottom Signal Layer w0.3: v1(354.4,540.975) 357.856,544.431 ccw(c356.06,546.227) 358.6,546.227 358.6,587.601 cw(c359.624,587.601) v1(358.9,588.325)
BMP280_MISO: DA4.5 DA5.5 DA6.5 DA7.5 DA8.5 DA9.5 DA10.5 DA11.5 DA12.5 DA13.5 DD1.31 | length 438.1
  Top Signal Layer w0.3: v1(354.825,589.05) ccw(c354.825,590) 355.497,589.328 DA12.5@355.745,589.576 ; DD1.31@356.625,534 358.207,534 cw(c358.207,533.232) 358.75,533.775 cw(c357.784,532.809) 359.15,532.809 v1(359.15,532.025) ; DA5.5@357.444,485.12 357.748,484.944 cw(c357.273,484.121) v1(358.191,484.367) ; v1(388.302,601.578) ccw(c388.974,602.25) 388.974,601.3 DA10.5@389.325,601.3 ; DA7.5@391.275,474.7 392.294,474.7 v1(392.298,474.697) ; v1(421.602,612.078) ccw(c422.274,612.75) 422.274,611.8 DA8.5@422.625,611.8 ; DA9.5@424.575,464.2 424.578,464.197 v1(425.598,464.197) ; v1(454.906,613.078) ccw(c455.578,613.75) 455.578,612.8 DA6.5@455.929,612.8 ; DA11.5@457.879,463.2 458.833,463.2 cw(c458.833,463.103) v1(458.902,463.172) ; v1(489.65,602.175) ccw(c490.6,602.175) 489.928,601.503 DA4.5@490.176,601.255 ; DA13.5@491.544,475.795 v1(492.419,476.265)
  Bottom Signal Layer w0.3: v1(359.15,532.025) 358.377,532.025 cw(c358.377,534.565) 356.581,532.769 354.669,534.681 ccw(c352.873,532.885) 352.873,535.425 349.4,535.425 cw(c349.4,537.055) 348.248,535.902 347.55,536.6 cw(c348.455,537.505) 347.175,537.505 ; v1(489.65,602.175) 479.491,612.334 ccw(c477.695,610.538) 477.695,613.078 v1(454.906,613.078) 454.422,612.594 cw(c453.177,613.839) 453.177,612.078 v1(421.602,612.078) 404.805,612.078 ccw(c404.805,609.538) 403.009,611.334 393.844,602.169 cw(c392.418,603.595) 392.418,601.578 v1(388.302,601.578) 368.405,601.578 ccw(c368.405,599.038) 366.609,600.834 v1(354.825,589.05) 347.919,582.144 ccw(c349.715,580.348) 347.175,580.348 347.175,537.505 ; v1(492.419,476.265) 490.072,474.812 489.85,474.675 479.091,463.916 cw(c477.295,465.712) 477.295,463.172 v1(458.902,463.172) 427.675,463.172 cw(c427.675,465.712) 425.879,463.916 v1(425.598,464.197) 403.85,464.197 cw(c403.85,466.737) 402.054,464.941 v1(392.298,474.697) 368.914,474.697 cw(c368.914,477.237) 367.118,475.441 v1(358.191,484.367) cw(c358.191,486.077) 356.982,484.868 347.919,493.931 cw(c349.715,495.727) 347.175,495.727 347.175,514.785 347.2,514.81 347.2,537.48 347.175,537.505
BMP280_MOSI: DA4.3 DA5.3 DA6.3 DA7.3 DA8.3 DA9.3 DA10.3 DA11.3 DA12.3 DA13.3 DD1.32 | length 419.8
  Top Signal Layer w0.3: v1(349.1,537.925) 349.299,537.726 v1(349.299,532.1) ; DD1.32@356.625,534.5 357.661,534.5 ccw(c357.661,535.439) v1(358.325,534.775) ; DA12.3@357.336,588.905 cw(c356.215,587.784) 357.8,587.784 v1(357.8,587.775) ; DA5.3@357.681,486.83 358.217,487.365 cw(c358.3,487.282) v1(358.3,487.4) ; v1(389.504,598.898) 389.741,599.134 ccw(c389.175,599.7) DA10.3@389.975,599.7 ; DA7.3@390.625,476.3 390.625,476.459 cw(c391.463,476.459) v1(390.87,477.052) ; v1(422.829,609.298) 422.952,609.421 ccw(c422.173,610.2) DA8.3@423.275,610.2 ; DA9.3@423.925,465.8 423.925,466.286 cw(c424.336,466.286) v1(424.045,466.577) ; v1(456.108,610.348) 456.309,610.549 ccw(c455.658,611.2) DA6.3@456.579,611.2 ; DA11.3@457.229,464.8 457.229,465.237 cw(c457.813,465.237) v1(457.4,465.65) ; v1@488.384,599.2 ccw(c488.384,600.785) DA4.3@489.505,599.664 ; v1(490.025,477.65) 490.025,477.233 ccw(c490.559,477.233) DA13.3@490.181,476.855
  Bottom Signal Layer w0.3: v1(349.299,532.1) 349.4,531.999 349.4,496.378 ccw(c350.916,496.378) 349.844,495.306 357.55,487.6 ccw(c358.033,488.083) 358.033,487.4 v1(358.3,487.4) cw(c358.3,486.253) 359.111,487.064 368.379,477.796 ccw(c370.175,479.592) 370.175,477.052 v1(390.87,477.052) 409.721,477.052 cw(c409.721,474.512) 411.517,476.308 420.731,467.094 ccw(c422.527,468.89) 422.527,466.35 423.525,466.35 ccw(c423.525,467.059) 424.026,466.558 v1(424.045,466.577) 451.957,466.577 cw(c451.957,464.607) 453.35,466 ccw(c454.98,467.63) 454.98,465.325 457.029,465.325 ccw(c457.029,465.436) 457.107,465.357 v1(457.4,465.65) 474.923,465.65 ccw(c474.923,468.19) 476.719,466.394 486.748,476.423 cw(c487.9,475.27) 487.9,476.9 488.223,476.9 ccw(c488.223,479.44) 490.019,477.644 v1(490.025,477.65) ; v1(358.325,534.775) 357.194,535.906 ccw(c355.398,534.11) 355.398,536.65 350.083,536.65 cw(c350.083,537.333) 349.6,536.85 349.507,536.943 cw(c350.488,537.925) v1(349.1,537.925) 349.1,578.023 cw(c351.64,578.023) 349.844,579.819 v1(357.8,587.775) cw(c359.55,587.775) 358.313,589.013 367.454,598.154 cw(c369.25,596.358) 369.25,598.898 v1(389.504,598.898) 395.346,598.898 ccw(c395.346,601.438) 397.142,599.642 406.054,608.554 cw(c407.85,606.758) 407.85,609.298 v1(422.829,609.298) cw(c423.438,608.69) 423.438,609.55 454.258,609.55 ccw(c454.258,612.09) 456.054,610.294 v1(456.108,610.348) cw(c456.656,609.8) 456.656,610.575 475.948,610.575 cw(c475.948,608.035) 477.744,609.831 v1(488.375,599.2)
BMP280_SCK: DA4.4 DA5.4 DA6.4 DA7.4 DA8.4 DA9.4 DA10.4 DA11.4 DA12.4 DA13.4 DD1.30 | length 425.8
  Top Signal Layer w0.3: v1(348.15,537.83) 348.6,537.38 348.6,533.1 v1(348.3,532.8) ; v1(356.05,587.7) ccw(c356.05,587.896) 356.189,587.757 DA12.4@356.876,588.445 ; DD1.30@356.625,533.5 357.334,533.5 cw(c357.334,532.798) 357.83,533.295 v1(358.05,533.075) ; DA5.4@358.244,486.505 358.407,486.343 ccw(c359.067,487.003) v1(359.067,486.07) ; v1(388.175,599.7) DA10.4@389.325,599.7 ; DA7.4@391.275,476.3 392.253,476.3 v1(392.262,476.309) ; v1(421.638,610.216) 422.587,610.216 cw(c422.587,610.162) DA8.4@422.625,610.2 ; DA9.4@424.575,465.8 v1(425.55,465.8) ; v1(454.942,611.216) 455.891,611.216 cw(c455.891,611.162) DA6.4@455.929,611.2 ; DA11.4@457.879,464.8 457.888,464.809 v1(458.866,464.809) ; v1@488.075,600.55 cw(c488.075,599.238) DA4.4@489.003,600.166 ; DA13.4@490.744,477.18 ccw(c490.744,477.871) 491.232,477.382 v1(491.6,477.75)
  Bottom Signal Layer w0.3: v1(348.3,532.8) 348,532.5 348,496.596 ccw(c348.775,496.596) 348.227,496.048 357.875,486.4 ccw(c358.673,487.198) 358.673,486.07 v1(359.067,486.07) 368.083,477.053 ccw(c369.879,478.849) 369.879,476.309 v1(392.262,476.309) 409.388,476.309 cw(c409.388,473.769) 411.185,475.565 420.25,466.5 ccw(c421.94,468.19) 421.94,465.8 v1(425.55,465.8) 425.797,465.553 ccw(c427.593,467.349) 427.593,464.809 v1(458.866,464.809) 476.382,464.809 ccw(c476.382,467.108) 478.008,465.483 488.8,476.275 489.34,476.275 489.92,476.855 490.181,476.855 ccw(c490.181,478.12) 491.076,477.226 v1(491.6,477.75) ; v1(358.05,533.075) 355.819,535.306 ccw(c354.023,533.51) 354.023,536.05 350.2,536.05 cw(c350.2,537.981) 348.834,536.616 348.525,536.925 cw(c349.43,537.83) v1(348.15,537.83) 348.15,578.748 cw(c350.69,578.748) 348.894,580.544 v1(356.05,587.7) 367.313,598.962 cw(c369.093,597.182) 369.093,599.7 v1(388.175,599.7) 395.248,599.7 ccw(c395.248,602.24) 397.044,600.444 406.072,609.472 cw(c407.868,607.676) 407.868,610.216 v1(421.638,610.216) 452.89,610.216 ccw(c452.89,612.756) 454.686,610.96 v1(454.942,611.216) 476.357,611.216 cw(c476.357,608.676) 478.153,610.472 v1(488.075,600.55)
MCU_UART1_RX: DD1.69 R8.2 R10.1 | length 14.4
  Top Signal Layer w0.3: R8.2@337.324,547.244 R10.1@337.324,549.494 R10.1@337.368,549.45 ; R10.1@337.324,549.45 344.75,549.45 345.875,548.325 DD1.69@345.875,545.25
MCU_UART1_TX: DD1.68 R9.2 R11.1 | length 15.9
  Top Signal Layer w0.28: R9.2@337.324,553.994 R11.1@337.324,551.744 343.149,551.744 346.375,548.518 DD1.68@346.375,545.25
NetC3_2: C3.2 C4.2 DD1.49 DD1.73 | length 18.2
  Top Signal Layer w0.3: C4.2@343.9,547.3 343.875,547.275 DD1.73@343.875,545.25 343.875,544.225 345.1,543 DD1.49@356.625,543 C3.2@358.5,543
NetC8_2: C8.2 C14.1 DD1.21 DD1.22 L1.2 | length 15.1
  Top Signal Layer w0.3: DD1.21@352.875,529.75 DD1.22@353.375,529.75 353.375,530.675 353.5,530.8 356.7,530.8 357.3,530.2 C8.2@357.3,528.9
  Top Signal Layer w0.5: C8.2@357.3,528.9 357.3,525.7 C14.1@357.9,525.1 C14.1@357.7,524.9
  Top Signal Layer w1: L1.2@357.7,521.1 C14.1@357.7,524.9
NetC15_1: C15.1 DD1.13 Z1.2 | length 14.2
  Top Signal Layer w0.3: C15.1@348.7,516.5 348.6,516.6 Z1.2@348.6,518.7 347.6,519.7 347.6,527.086 347.65,527.136 347.65,527.145 347.855,527.35 347.864,527.35 348.875,528.361 DD1.13@348.875,529.75
NetC16_1: C16.1 DD1.12 Z1.1 | length 10.5
  Top Signal Layer w0.3: Z1.1@346.4,522.4 346.3,522.5 v1(346.3,524.9) 346.3,526.493 347.15,527.343 347.15,527.352 347.648,527.85 347.657,527.85 348.375,528.568 DD1.12@348.375,529.75
  Bottom Signal Layer w0.3: v1(346.3,524.9) C16.1@346.3,527.1
NetC17_2: C17.2 DA1.1 X2.2 | length 5.3
  Top Signal Layer w0.5: DA1.1@327.347,537.243 X2.2@328.224,534.145 C17.2@330.234,534.641
NetC18_2: C18.2 C19.2 DD2.5 DD2.6 R7.1 | length 6.5
  Top Signal Layer w0.2: DD2.6@323.908,545.15 DD2.5@323.908,545.65
  Top Signal Layer w0.25: C19.2@322.6,544.5 323.25,545.15 DD2.6@323.908,545.15
  Top Signal Layer w0.4: C18.2@320.2,542.5 320.275,542.425 R7.1@322.4,542.425 322.6,542.625 C19.2@322.6,544.5
NetC20_1: C20.1 DD2.7 DD2.8 VD3.8 | length 13.6
  Top Signal Layer w0.2: DD2.7@323.908,544.65 DD2.8@324.858,543.7 324.858,543.509 324.4,543.05 C20.1@324.4,542.2
  Top Signal Layer w0.3: VD3.8@316.105,543.8 316.105,541.995 316.55,541.55 323.75,541.55 C20.1@324.4,542.2